# Altium PCB Iris.PcbDoc (part 9 of 13) (continued)
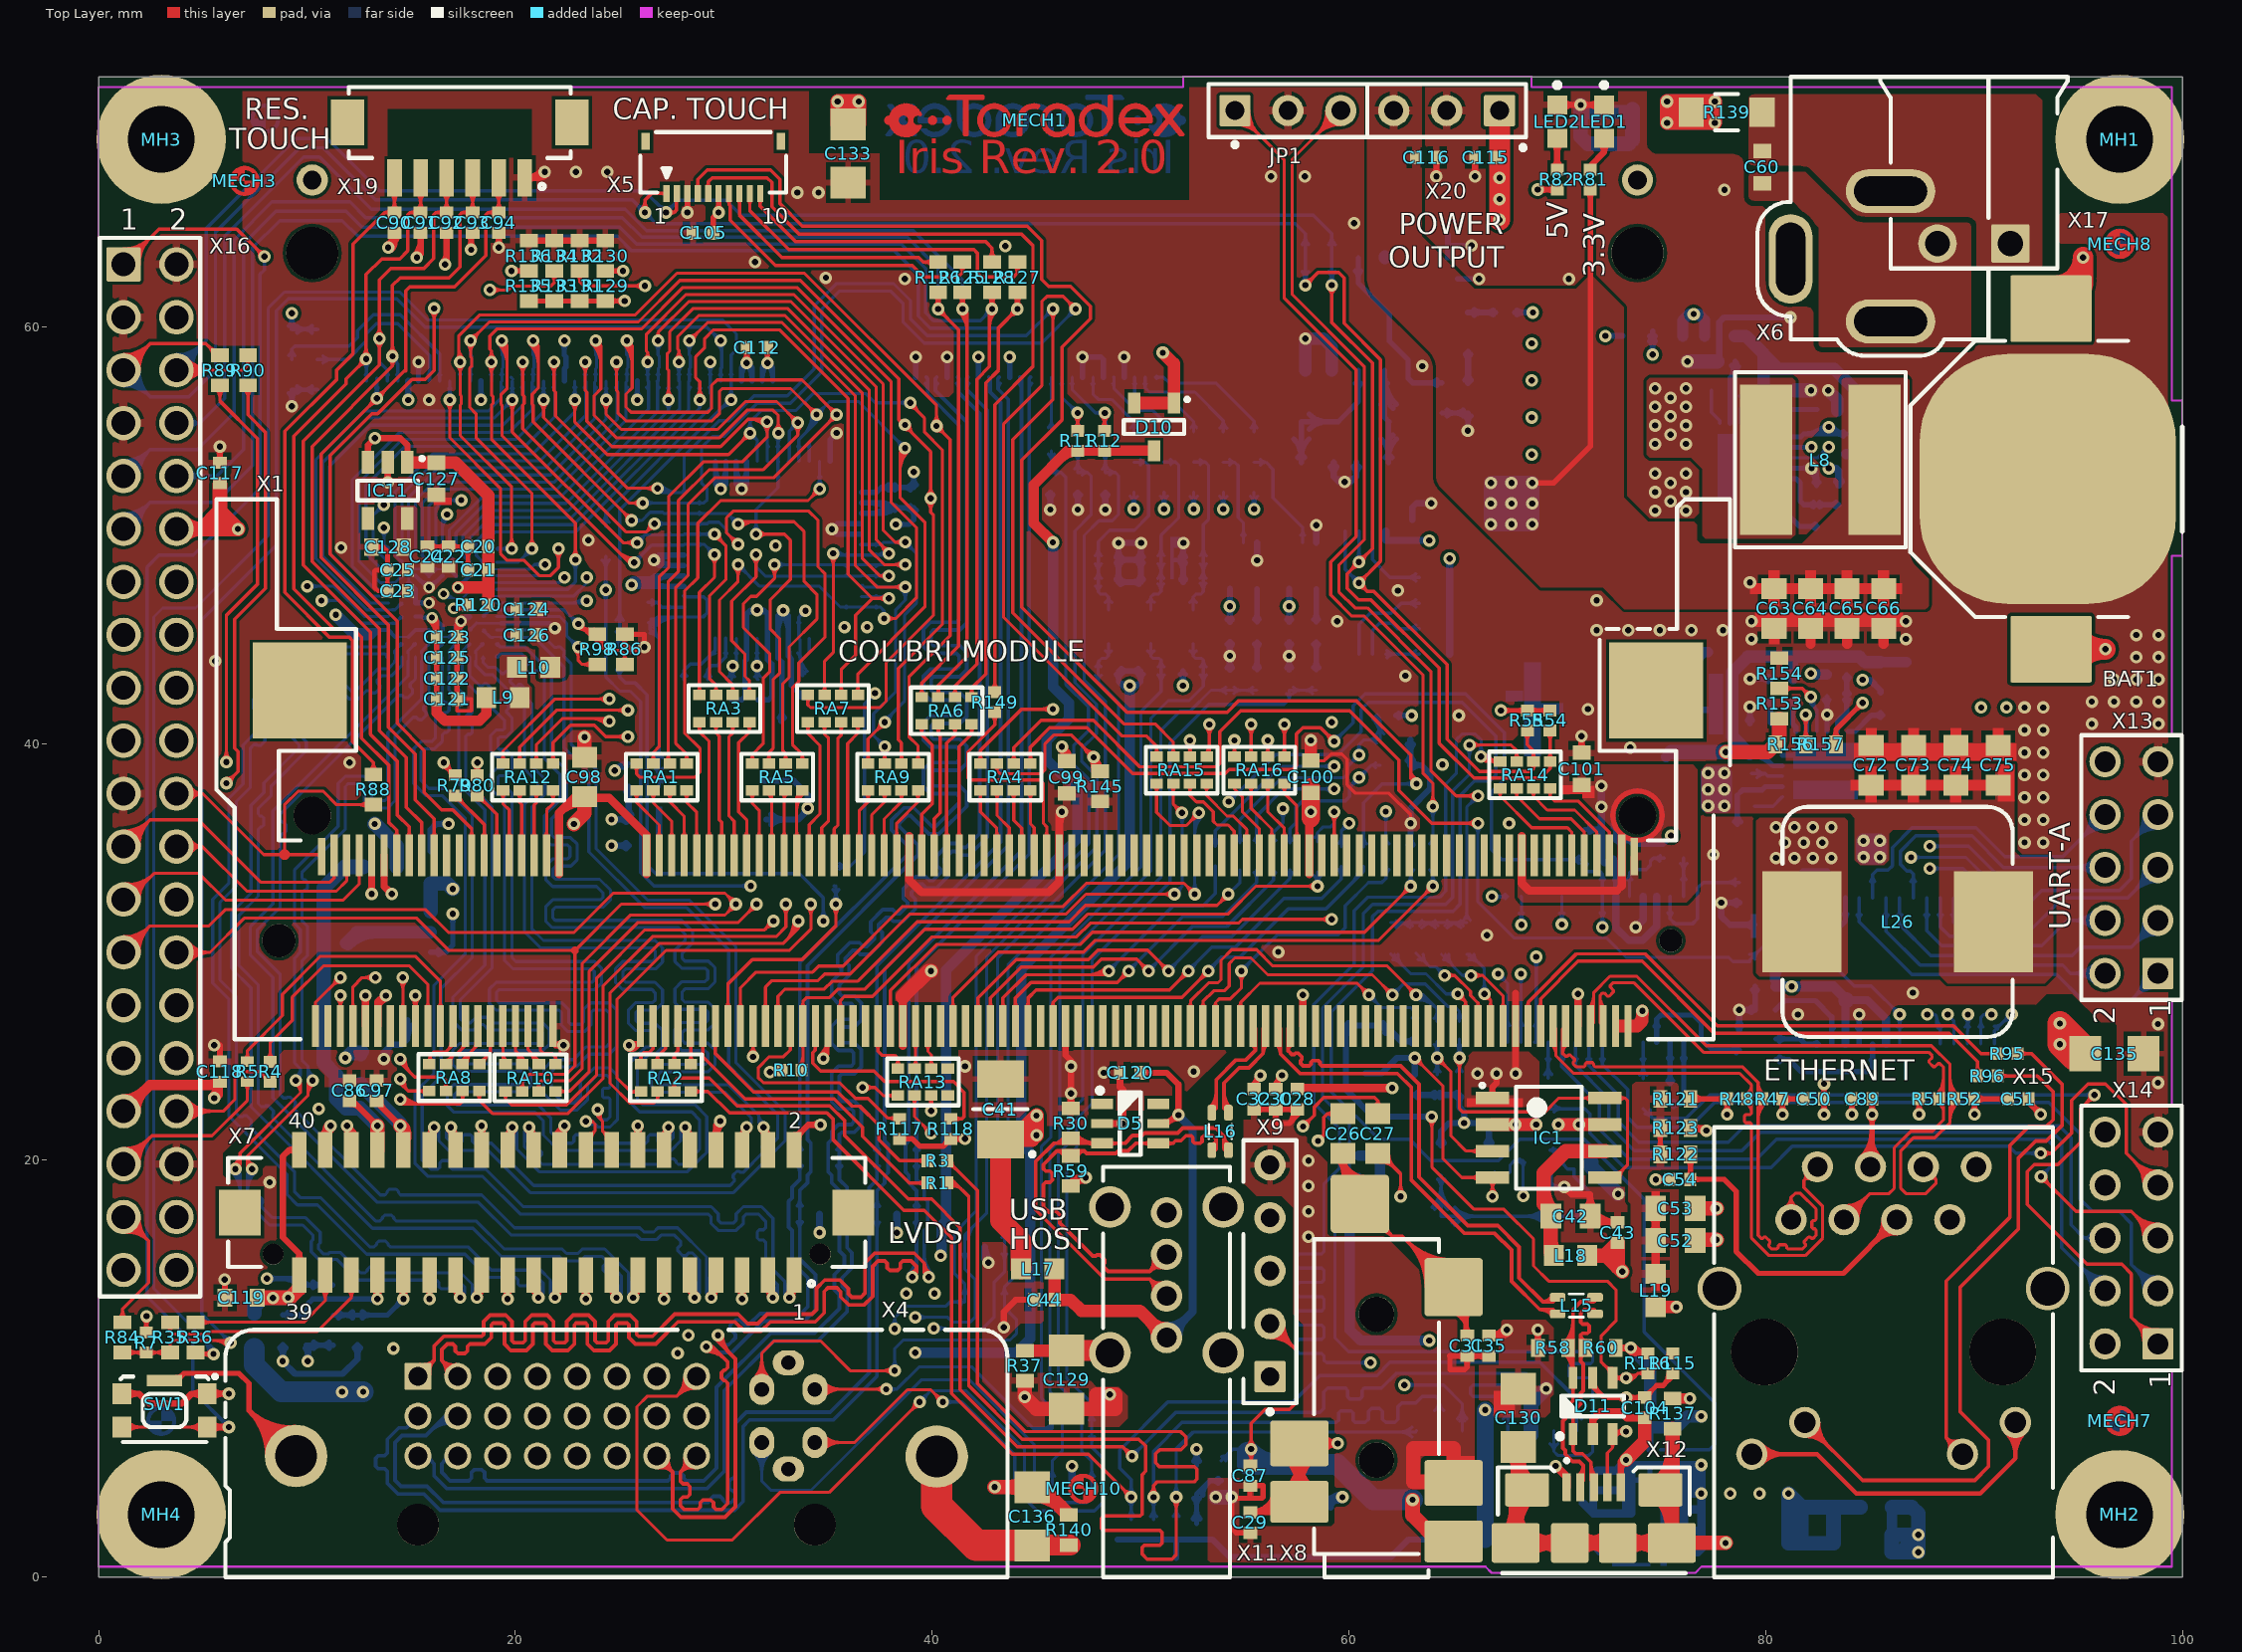
[diagram p0: Top Layer view]
## Nets (pads, with @x,y where several pads share a name; then routed paths per layer and width w, separated by ;. In a path a pad name is that pad's centre, name@x,y a point inside that pad or via, vN(x,y) a via of type N, cw(c..) or ccw(c..) an arc to the next point about the centre after c; other vN are vias at no path point) (continued)
  Bottom Layer w0.152: v1@66.034,36.024 cw(c65.652,35.642) 66.192,35.642 cw(c66.733,35.642) v1@66.351,36.024 ; v1(66.192,36.182) 66.192,32.41 67.935,30.668 72.38,30.668 73.304,29.743 78.232,29.743 78.435,29.54 R106.2@79.234,29.54 ; R106.2@79.234,29.603 79.908,30.277 81.204,30.277 81.407,30.074 81.407,29.464 81.737,29.134 83.49,29.134 84.252,28.372 85.062,28.372 v1(86.435,26.999) IC4.22@86.435,25.59 ; R106.2@79.234,29.889 ccw(c79.234,30.58) 79.723,30.092 ; R106.2@79.483,29.64 cw(c79.993,29.64) 79.632,30.001 ; v1@86.211,26.999 ccw(c85.671,26.999) 86.053,27.381 ccw(c86.435,27.763) v1@86.435,27.223 ; v1@86.277,26.841 cw(c85.895,26.459) 86.435,26.459 cw(c86.975,26.459) v1@86.593,26.841 ; IC4.22@86.33,26.395 ccw(c86.076,26.649) 86.435,26.649 ccw(c86.794,26.649) IC4.22@86.54,26.395
SODIMM_102_S: RA4.3 X1.102 | length 4.3
  Top Layer w0.152: RA4.3@43.794,37.623 cw(c43.497,37.326) 43.916,37.326 cw(c44.336,37.326) RA4.3@44.039,37.623 ; RA4.3@43.916,37.746 43.916,36.322 44.3,35.939 X1.102@44.3,34.646 ; X1.102@44.23,35.592 ccw(c44.061,35.76) 44.3,35.76 ccw(c44.539,35.76) X1.102@44.37,35.592
SODIMM_103: R148.2 X16.15 | length 74.1
  MidLayer2 w0.165: X16.15@1.191,44.478 cw(c1.191,42.685) 2.458,43.952 cw(c3.726,45.22) X16.15@1.933,45.22 ; X16.15@1.191,44.643 cw(c1.191,43.248) 2.177,44.234 cw(c3.163,45.22) X16.15@1.768,45.22 ; X16.15@1.191,44.808 cw(c1.191,43.812) 1.895,44.516 cw(c2.599,45.22) X16.15@1.603,45.22 ; X16.15@1.191,45.22 2.461,43.95 4.539,43.95 5.467,43.021 26.219,43.021 28.832,40.408 35.541,40.408 36.99,38.959 42.245,38.959 42.418,38.786 48.819,38.786 50.267,37.338 53.188,37.338 53.873,36.652 55.143,36.652 56.083,37.592 57.252,37.592 57.582,37.262 57.582,36.418 57.817,36.182 v1(60.011,36.182) ; v1@59.857,36.029 ccw(c59.486,35.657) 59.486,36.182 ccw(c59.486,36.707) v1@59.857,36.336
  Bottom Layer w0.15: R148.2@59.496,35.203 ccw(c59.192,35.531) 59.639,35.531 ccw(c60.086,35.531) R148.2@59.782,35.203 ; R148.2@59.639,35.049 59.639,35.81 ; v1@59.786,36.177 cw(c59.284,36.166) 59.639,35.81 ; v1@60.006,35.957 ccw(c59.995,35.455) 59.639,35.81 ; v1(60.011,36.182) 59.639,35.81
SODIMM_103_S: R148.1 X1.103 | length 22.1
  Top Layer w0.165: X1.103@44.535,27.387 ccw(c44.377,27.545) 44.6,27.545 ccw(c44.823,27.545) X1.103@44.665,27.387 ; X1.103@44.6,26.446 44.6,27.785 44.992,28.177 51.39,28.177 v1(52.296,29.083) ; v1@52.078,29.083 cw(c51.553,29.083) 51.924,28.712 cw(c52.296,28.34) v1@52.296,28.865
  Bottom Layer w0.165: v1@52.296,29.108 53.424,30.236 54.558,30.236 56.885,32.563 58.699,32.563 59.639,33.503 R148.1@59.639,34.089 ; v1@52.296,29.301 ccw(c52.296,29.764) 52.624,29.436 ; v1@52.513,29.083 cw(c53.1,29.083) 52.685,29.498 ; R148.1@59.496,33.946 cw(c59.15,33.601) 59.639,33.601 cw(c60.128,33.601) R148.1@59.782,33.946
SODIMM_104: IC6.22 R107.2 RA4.8 | length 49.3
  Top Layer w0.165: RA4.8@44.598,39.164 ccw(c44.312,39.45) 44.716,39.45 ccw(c45.121,39.45) RA4.8@44.835,39.164 ; RA4.8@44.716,39.046 44.716,39.84 45.644,40.767 47.422,40.767 49.618,38.571 54.065,38.571 54.254,38.76 57.302,38.76 57.48,38.938 57.48,40.462 57.785,40.767 58.64,40.767 v1(59.3,40.107) ; v1@59.082,40.107 ccw(c58.557,40.107) 58.929,40.478 ccw(c59.3,40.849) v1@59.3,40.324
  Bottom Layer w0.165: v1(59.3,40.107) 60.198,41.005 60.198,41.812 60.77,42.384 65.591,42.384 67.454,40.521 67.454,38.269 66.853,37.668 66.853,34.925 67.349,34.429 R107.2@71.323,34.429 71.323,33.96 ; v1@59.3,40.324 ccw(c59.3,40.849) 59.671,40.478 ccw(c60.043,40.107) v1@59.517,40.107 ; R107.2@71.052,34.257 ccw(c70.638,33.843) 70.638,34.429 ccw(c70.638,35.014) R107.2@71.052,34.6 ; R107.2@71.183,34.231 cw(c70.991,33.96) 71.323,33.96 ; R107.2@71.463,34.231 ccw(c71.655,33.96) 71.323,33.96 ; v1@72.019,31.348 ccw(c71.655,31.712) 72.17,31.712 ; IC6.22@72.069,31.869 cw(c71.826,31.626) 72.17,31.626 cw(c72.514,31.626) IC6.22@72.271,31.869 ; IC6.22@72.069,33.471 ccw(c71.826,33.714) 72.17,33.714 ccw(c72.514,33.714) IC6.22@72.271,33.471 ; v1@72.17,31.196 IC6.22@72.17,32.67 72.17,33.748 72.06,33.858 71.425,33.858 71.323,33.96 ; 72.17,31.726 ccw(c72.705,31.726) v1@72.327,31.348
  other v1: 72.173,31.194
SODIMM_104_S: RA4.4 X1.104 | length 4.2
  Top Layer w0.152: RA4.4@44.594,37.623 cw(c44.297,37.326) 44.716,37.326 cw(c45.136,37.326) RA4.4@44.839,37.623 ; RA4.4@44.716,37.746 44.716,36.147 44.9,35.963 X1.104@44.9,34.646 ; X1.104@44.83,35.592 ccw(c44.661,35.76) 44.9,35.76 ccw(c45.139,35.76) X1.104@44.97,35.592
SODIMM_106: R149.2 X5.5 | length 41.5
  Top Layer w0.165: X5.5@29.202,66.749 ccw(c29.087,66.864) 29.25,66.864 ccw(c29.413,66.864) X5.5@29.298,66.749 ; X5.5@29.25,66.4 29.25,66.969 29.439,67.158 32.08,67.158 32.311,66.927 32.311,65.761 33.611,64.461 44.276,64.461 44.837,63.9 44.837,58.096 43.008,56.267 R149.2@43.008,42.466 ; R149.2@42.865,42.609 ccw(c42.519,42.955) 43.008,42.955 ccw(c43.497,42.955) R149.2@43.151,42.609
SODIMM_106_S: R149.1 X1.106 | length 12.1
  Top Layer w0.152: R149.1@42.861,41.359 cw(c42.504,41.002) 43.008,41.002 cw(c43.512,41.002) R149.1@43.156,41.359 ; R149.1@43.008,41.506 43.008,40.9 41.707,39.599 41.707,38.354 41.808,38.252 45.187,38.252 45.339,38.1 45.339,36.17 45.5,36.009 X1.106@45.5,34.646 ; X1.106@45.43,35.592 ccw(c45.261,35.76) 45.5,35.76 ccw(c45.739,35.76) X1.106@45.57,35.592
SODIMM_107: R146.2 X5.4 | length 72.4
  Top Layer w0.15: 62.967,38.753 ccw(c63.437,38.74) v1@63.325,38.283
  Top Layer w0.165: X5.4@28.702,66.749 ccw(c28.587,66.864) 28.75,66.864 ccw(c28.913,66.864) X5.4@28.798,66.749 ; X5.4@28.75,66.4 28.75,67.079 29.208,67.537 32.237,67.537 32.69,67.084 32.69,65.918 33.768,64.841 44.557,64.841 45.263,64.135 45.263,62.281 45.593,61.951 46.634,61.951 47.6,60.985 47.6,60.401 46.237,59.039 46.237,55.533 44.308,53.604 44.308,46.548 49.352,41.504 54.153,41.504 54.712,42.062 60.35,42.062 62.967,39.446 62.967,38.354 ; v1@63.034,38.122 ccw(c62.79,38.177) 62.967,38.354 ; v1@63.198,38.287 cw(c63.143,38.531) 62.967,38.354 ; v1(63.246,38.075) 62.967,38.354
  Bottom Layer w0.165: R146.2@60.563,35.193 ccw(c60.217,35.538) 60.706,35.538 ccw(c61.195,35.538) R146.2@60.849,35.193 ; R146.2@60.706,35.049 60.706,37.16 61.62,38.075 v1(63.246,38.075) ; 62.721,38.075 cw(c62.721,37.55) 63.092,37.921 ccw(c62.721,37.55) 62.721,38.075 ; 62.721,38.075 ccw(c62.721,38.6) 63.092,38.228 cw(c62.721,38.6) 62.721,38.075
SODIMM_107_S: R146.1 X1.107 | length 22.2
  Top Layer w0.165: X1.107@45.735,27.387 ccw(c45.577,27.545) 45.8,27.545 ccw(c46.023,27.545) X1.107@45.865,27.387 ; X1.107@45.8,26.446 45.8,27.573 46.04,27.813 51.981,27.813 v1(53.251,29.083) ; v1@53.034,29.083 cw(c52.509,29.083) 52.88,28.712 cw(c53.251,28.34) v1@53.251,28.865
  Bottom Layer w0.165: v1@53.251,29.108 53.886,29.743 54.762,29.743 57.089,32.07 58.904,32.07 60.706,33.873 R146.1@60.706,34.089 ; v1@53.251,29.301 ccw(c53.251,29.764) 53.579,29.436 ; v1@53.469,29.083 cw(c54.055,29.083) 53.641,29.498 ; 60.164,33.331 ccw(c59.406,34.089) R146.1@60.478,34.089 ; 60.446,33.612 ccw(c59.969,34.089) R146.1@60.644,34.089
SODIMM_133: R147.2 X16.14 | length 79.8
  MidLayer2 w0.165: X16.14@3.731,47.018 cw(c3.731,43.459) 6.247,45.975 ; X16.14@3.731,47.183 cw(c3.731,44.022) 5.965,46.257 ; X16.14@3.731,47.348 cw(c3.731,44.586) 5.684,46.539 ; X16.14@3.731,47.513 cw(c3.731,45.149) 5.402,46.82 ; X16.14@3.731,47.678 cw(c3.731,45.712) 5.12,47.102 ; X16.14@3.731,47.76 4.462,47.76 8.503,43.72 26.786,43.72 29.265,41.24 36.357,41.24 37.135,40.462 48.895,40.462 50.825,38.532 58.623,38.532 58.801,38.354 59.665,38.354 60.731,37.287 61.227,37.287 v1(61.773,36.741) ; X16.14@3.731,47.843 cw(c3.731,46.276) 4.839,47.384 ; X16.14@3.731,48.008 cw(c3.731,46.839) 4.557,47.665 ; v1@61.555,36.741 ccw(c61.03,36.741) 61.402,37.112 ccw(c61.773,37.484) v1@61.773,36.958
  Bottom Layer w0.152: v1@61.615,36.583 cw(c61.233,36.201) 61.773,36.201 cw(c62.313,36.201) v1@61.931,36.583 ; R147.2@61.625,35.197 ccw(c61.269,35.553) 61.773,35.553 ccw(c62.277,35.553) R147.2@61.92,35.197 ; R147.2@61.773,35.049 v1(61.773,36.741)
SODIMM_133_S: R147.1 X1.133 | length 16.2
  Top Layer w0.15: X1.133@53.529,27.393 ccw(c53.359,27.563) 53.6,27.563 ccw(c53.841,27.563) X1.133@53.671,27.393 ; X1.133@53.6,26.446 53.6,27.568 53.777,27.744 54.313,27.744 54.842,28.274 v1@54.842,29.108 ; v1@54.683,28.924 cw(c54.299,28.54) 54.842,28.54 cw(c55.385,28.54) v1@55.001,28.924
  Bottom Layer w0.152: 59.817,32.207 60.935,33.325
  Bottom Layer w0.165: v1@54.842,29.108 56.569,30.836 59.487,30.836 59.817,31.166 59.817,32.207 ; v1@54.842,29.301 ccw(c54.842,29.764) 55.17,29.436 ; v1@55.059,29.083 cw(c55.646,29.083) 55.231,29.498 ; 60.935,33.325 61.57,33.325 61.773,33.528 R147.1@61.773,34.089 ; R147.1@61.63,33.946 cw(c61.284,33.601) 61.773,33.601 cw(c62.262,33.601) R147.1@61.916,33.946
  other v1: 54.842,29.083
SODIMM_152: R110.2 X1.152 | length 6.7
  Top Layer w0.152: v1@59.142,36.57 cw(c58.76,36.188) 59.3,36.188 cw(c59.84,36.188) v1@59.458,36.57 ; X1.152@59.23,35.592 ccw(c59.061,35.76) 59.3,35.76 ccw(c59.539,35.76) X1.152@59.37,35.592 ; X1.152@59.3,34.646 v1(59.3,36.728)
  Bottom Layer w0.152: R110.2@58.367,35.507 ccw(c58.226,35.738) 58.496,35.738 ; R110.2@58.496,35.294 58.496,35.738 ; R110.2@58.626,35.507 cw(c58.767,35.738) 58.496,35.738 ; v1@59.142,36.57 cw(c58.76,36.188) 59.3,36.188 cw(c59.84,36.188) v1@59.458,36.57 ; v1(59.3,36.728) 59.3,36.186 59.106,35.992 58.75,35.992 58.496,35.738
SSPFRM: R126.1 RA6.5 X16.9 | length 85
  Top Layer w0.15: R126.1@40.108,61.481 cw(c39.681,61.054) 40.284,61.054 cw(c40.888,61.054) R126.1@40.461,61.481 ; v1@40.125,61.017 ccw(c39.741,61.402) 40.284,61.402 ccw(c40.828,61.402) v1@40.443,61.017 ; v1@40.147,61.037 ccw(c40.011,61.213) 40.226,61.271 ccw(c40.567,61.362) v1@40.394,61.055 ; v1@40.174,61.055 ccw(c40.002,61.362) 40.343,61.271 ccw(c40.558,61.213) v1@40.422,61.037 ; v1(40.284,60.858) R126.1@40.284,61.657
  Top Layer w0.165: RA6.5@39.379,42.349 ccw(c39.093,42.635) 39.497,42.635 ccw(c39.901,42.635) RA6.5@39.615,42.349 ; RA6.5@39.497,42.23 39.497,42.901 41.275,44.679 41.275,57.545 41.275,59.868 v1(40.284,60.858) ; v1@40.284,60.641 cw(c40.284,60.116) 40.656,60.487 cw(c41.027,60.858) v1@40.502,60.858
  Bottom Layer w0.152: v1@40.126,61.017 ccw(c39.744,61.399) 40.284,61.399 ccw(c40.825,61.399) v1@40.443,61.017
  Bottom Layer w0.165: X16.9@1.191,52.84 2.461,54.11 4.732,54.11 6.497,55.875 6.497,64.169 8.323,65.994 12.06,65.994 12.814,65.24 25.133,65.24 26.073,64.3 38.799,64.3 40.284,62.814 v1(40.284,60.858) ; X16.9@1.191,53.252 ccw(c1.191,54.248) 1.895,53.544 ccw(c2.599,52.84) X16.9@1.603,52.84 ; X16.9@1.191,53.418 ccw(c1.191,54.812) 2.177,53.826 ccw(c3.163,52.84) X16.9@1.768,52.84 ; X16.9@1.191,53.583 ccw(c1.191,55.375) 2.458,54.108 ccw(c3.726,52.84) X16.9@1.933,52.84
SSPFRM_S: RA6.1 X1.86 | length 7.7
  Top Layer w0.165: RA6.1@39.379,40.812 cw(c39.093,40.526) 39.497,40.526 cw(c39.901,40.526) RA6.1@39.615,40.812 ; X1.86@39.435,35.587 ccw(c39.277,35.745) 39.5,35.745 ccw(c39.723,35.745) X1.86@39.565,35.587 ; RA6.1@39.497,40.93 39.497,40.437 40.005,39.929 40.005,37.109 39.5,36.604 X1.86@39.5,34.646
SSPRXD: R128.1 RA6.7 X16.10 | length 81.6
  Top Layer w0.165: RA6.7@40.979,42.349 ccw(c40.693,42.635) 41.097,42.635 ccw(c41.501,42.635) RA6.7@41.215,42.349 ; RA6.7@41.097,42.23 41.097,42.773 42.142,43.818 42.142,57.486 42.754,58.099 42.754,60.737 v1(42.875,60.858) R128.1@42.875,61.657 ; R128.1@42.704,61.486 cw(c42.29,61.072) 42.875,61.072 cw(c43.461,61.072) R128.1@43.047,61.486 ; v1@42.721,61.012 ccw(c42.35,61.383) 42.875,61.383 ccw(c43.4,61.383) v1@43.029,61.012 ; v1@42.741,61.029 ccw(c42.597,61.212) 42.822,61.272 ; 42.754,60.041 cw(c43.692,60.041) v1@43.029,60.705 ; 42.754,60.44 cw(c43.294,60.44) v1@42.912,60.821 ; v1@42.766,61.047 ccw(c42.598,61.338) 42.923,61.251 ; 42.827,61.251 ccw(c43.152,61.338) v1@42.984,61.047 ; 42.929,61.272 ccw(c43.153,61.212) v1@43.01,61.029
  Bottom Layer w0.152: 39.687,60.671 40.058,60.3 42.316,60.3 v1(42.875,60.858) ; v1@42.651,60.858 cw(c42.111,60.858) 42.493,60.476 cw(c42.875,60.094) v1@42.875,60.635
  Bottom Layer w0.165: X16.10@3.703,52.84 5.672,52.84 6.944,54.112 6.944,63.984 8.508,65.547 11.875,65.547 12.629,64.793 24.996,64.793 25.813,63.976 38.513,63.976 39.687,62.802 39.687,60.671 ; X16.10@4.257,52.601 cw(c4.628,52.432) 4.628,52.84 cw(c4.628,53.248) X16.10@4.257,53.079 ; X16.10@4.407,52.532 cw(c4.885,52.315) 4.885,52.84 cw(c4.885,53.365) X16.10@4.407,53.148
SSPRXD_S: RA6.3 X1.90 | length 7.4
  Top Layer w0.165: X1.90@40.635,35.587 ccw(c40.477,35.745) 40.7,35.745 ccw(c40.923,35.745) X1.90@40.765,35.587 ; X1.90@40.7,34.646 40.7,40.014 41.097,40.411 RA6.3@41.097,40.93 ; RA6.3@40.979,40.812 cw(c40.693,40.526) 41.097,40.526 cw(c41.501,40.526) RA6.3@41.215,40.812
SSPSCLK: R125.1 RA6.6 X16.8 | length 80.3
  Top Layer w0.152: R125.1@41.277,61.481 cw(c40.852,61.057) 41.453,61.057 cw(c42.053,61.057) R125.1@41.629,61.481 ; v1@41.295,61.017 ccw(c40.913,61.399) 41.453,61.399 ccw(c41.993,61.399) v1@41.611,61.017 ; v1@41.316,61.035 ccw(c41.178,61.213) 41.395,61.271 ccw(c41.741,61.364) v1@41.564,61.053 ; v1@41.342,61.053 ccw(c41.164,61.364) 41.51,61.271 ccw(c41.727,61.213) v1@41.59,61.035 ; v1(41.453,60.858) R125.1@41.453,61.657
  Top Layer w0.165: RA6.6@40.179,42.349 ccw(c39.893,42.635) 40.297,42.635 ccw(c40.701,42.635) RA6.6@40.415,42.349 ; RA6.6@40.297,42.23 40.297,42.786 41.681,44.171 41.681,60.63 ; v1@41.299,60.705 cw(c40.376,59.781) 41.681,59.781 ; v1@41.416,60.821 cw(c40.774,60.18) 41.681,60.18 ; v1(41.453,60.858) 41.681,60.63 ; v1@41.532,60.938 cw(c41.173,60.578) 41.681,60.578 ; v1@41.537,60.658 cw(c41.588,60.537) 41.681,60.63 ; v1@41.653,60.774 ccw(c41.774,60.723) 41.681,60.63
  Bottom Layer w0.152: v1@41.295,61.017 ccw(c40.913,61.399) 41.453,61.399 ccw(c41.993,61.399) v1@41.611,61.017
  Bottom Layer w0.165: X16.8@3.731,55.38 4.859,55.38 ; X16.8@4.261,55.151 cw(c4.609,55.002) 4.609,55.38 cw(c4.609,55.758) X16.8@4.261,55.609 ; X16.8@4.413,55.086 cw(c4.859,54.894) 4.859,55.38 ; X16.8@4.413,55.674 ccw(c4.859,55.866) 4.859,55.38 ; v1(41.453,60.858) 41.453,62.255 39.084,64.624 26.289,64.624 25.271,65.642 13.098,65.642 10.592,68.148 9.845,68.148 6.05,64.354 6.05,56.571 4.859,55.38
SSPSCLK_S: RA6.2 X1.88 | length 7.4
  Top Layer w0.165: X1.88@40.035,35.587 ccw(c39.877,35.745) 40.1,35.745 ccw(c40.323,35.745) X1.88@40.165,35.587 ; X1.88@40.1,34.646 40.1,36.392 40.385,36.677 40.385,40.145 40.386,40.146 40.386,40.361 40.297,40.45 RA6.2@40.297,40.93 ; RA6.2@40.179,40.812 cw(c39.893,40.526) 40.297,40.526 cw(c40.701,40.526) RA6.2@40.415,40.812
SSPTXD: R127.1 RA6.8 X16.11 | length 90.9
  Top Layer w0.165: RA6.8@41.779,42.349 ccw(c41.493,42.635) 41.897,42.635 ccw(c42.301,42.635) RA6.8@42.015,42.349 ; RA6.8@41.897,42.23 41.897,42.659 42.575,43.337 42.575,57.307 43.187,57.919 43.187,59.951 v1(44.094,60.858) R127.1@44.094,61.657 ; v1@43.877,60.858 cw(c43.352,60.858) 43.723,60.487 cw(c44.094,60.116) v1@44.094,60.641 ; R127.1@43.923,61.486 cw(c43.509,61.072) 44.094,61.072 cw(c44.68,61.072) R127.1@44.266,61.486 ; v1@43.941,61.012 ccw(c43.569,61.383) 44.094,61.383 ccw(c44.619,61.383) v1@44.248,61.012 ; v1@43.96,61.029 ccw(c43.816,61.212) 44.041,61.272 ; v1@43.986,61.047 ccw(c43.817,61.338) 44.142,61.251 ; 44.046,61.251 ccw(c44.371,61.338) v1@44.203,61.047 ; 44.148,61.272 ccw(c44.373,61.212) v1@44.229,61.029
  Bottom Layer w0.152: 39.33,60.523 39.91,59.942 43.178,59.942 v1(44.094,60.858) ; v1@43.871,60.858 cw(c43.33,60.858) 43.712,60.476 cw(c44.094,60.094) v1@44.094,60.635
  Bottom Layer w0.165: X16.11@1.191,50.3 2.461,51.57 5.621,51.57 7.391,53.34 7.391,63.798 8.693,65.1 11.69,65.1 12.443,64.346 24.884,64.346 25.578,63.652 38.184,63.652 39.33,62.506 39.33,60.523 ; X16.11@1.191,50.712 ccw(c1.191,51.708) 1.895,51.004 ccw(c2.599,50.3) X16.11@1.603,50.3 ; X16.11@1.191,50.878 ccw(c1.191,52.272) 2.177,51.286 ccw(c3.163,50.3) X16.11@1.768,50.3 ; X16.11@1.191,51.043 ccw(c1.191,52.835) 2.458,51.568 ccw(c3.726,50.3) X16.11@1.933,50.3
SSPTXD_S: RA6.4 X1.92 | length 7.5
  Top Layer w0.165: X1.92@41.235,35.587 ccw(c41.077,35.745) 41.3,35.745 ccw(c41.523,35.745) X1.92@41.365,35.587 ; X1.92@41.3,34.646 41.3,39.852 41.897,40.449 RA6.4@41.897,40.93 ; RA6.4@41.779,40.812 cw(c41.493,40.526) 41.897,40.526 cw(c42.301,40.526) RA6.4@42.015,40.812
T20_SD_BOOT: JP1.3 R109.1 R111.1 R112.1 R113.1 | length 66.7
  Top Layer w0.15: JP1.3@58.939,70.38 cw(c57.31,70.38) 58.462,69.228 cw(c59.614,68.075) JP1.3@59.614,69.705 ; JP1.3@59.089,70.38 cw(c57.822,70.38) 58.718,69.484 cw(c59.614,68.588) JP1.3@59.614,69.855 ; JP1.3@59.239,70.38 cw(c58.334,70.38) 58.974,69.74 cw(c59.614,69.1) JP1.3@59.614,70.005 ; JP1.3@59.614,70.38 57.277,68.043 57.277,61.558 60.737,58.098 60.737,49.776 59.518,48.557 59.518,47.29 60.295,46.513 60.89,46.513 63.938,43.466 63.938,38.704 65.151,37.49 v1(66.192,37.49) ; v1@66.033,37.331 ccw(c65.649,36.947) 65.649,37.49 ccw(c65.649,38.034) v1@66.033,37.649
  Bottom Layer w0.15: R109.1@62.001,31.408 R112.1@65.659,31.408 ; R109.1@62.172,31.261 cw(c62.527,30.907) 62.527,31.408 ; R109.1@62.278,31.155 cw(c62.889,30.544) R111.1@62.889,31.408 ; R109.1@62.278,31.509 ccw(c62.521,31.752) 62.521,31.408 ; R109.1@62.333,31.408 cw(c62.333,30.544) R111.1@62.944,31.155 ; R109.1@62.336,31.246 cw(c62.497,31.187) 62.541,31.352 ; 62.695,31.408 cw(c62.695,30.907) R111.1@63.05,31.261 ; 62.701,31.408 ccw(c62.701,31.752) R111.1@62.944,31.509 ; R111.1@63.391,31.261 cw(c63.746,30.907) 63.746,31.408 ; R111.1@63.497,31.155 cw(c64.108,30.544) R113.1@64.108,31.408 ; R111.1@63.497,31.509 ccw(c63.74,31.752) 63.74,31.408 ; R111.1@63.552,31.408 cw(c63.552,30.544) R113.1@64.163,31.155 ; 63.9,31.352 cw(c63.944,31.187) R113.1@64.105,31.246 ; 63.914,31.408 cw(c63.914,30.907) R113.1@64.269,31.261 ; 63.92,31.408 ccw(c63.92,31.752) R113.1@64.163,31.509 ; R113.1@64.611,31.261 cw(c64.965,30.907) 64.965,31.408 ; R113.1@64.717,31.155 cw(c65.327,30.544) R112.1@65.327,31.408 ; R113.1@64.717,31.509 ccw(c64.959,31.752) 64.959,31.408 ; R113.1@64.771,31.408 cw(c64.771,30.544) R112.1@65.382,31.155 ; R113.1@64.774,31.246 cw(c64.935,31.187) 64.98,31.352 ; 65.134,31.408 cw(c65.134,30.907) R112.1@65.488,31.261 ; 65.139,31.408 ccw(c65.139,31.752) R112.1@65.382,31.509 ; R112.1@65.482,31.509 ccw(c65.055,31.936) 65.659,31.936 ccw(c66.263,31.936) R112.1@65.836,31.509 ; R112.1@65.659,31.611 65.659,36.957 v1(66.192,37.49) ; v1@65.967,37.49 cw(c65.424,37.49) 65.808,37.106 cw(c66.192,36.722) v1@66.192,37.265
TMDS_CLK_N: D2.3 X2.3 X4.24 | length 91.1
  Top Layer w0.18: X4.24@28.14,5.718 cw(c27.372,5.591) 27.923,5.04 ; X4.24@28.318,5.748 cw(c27.797,5.661) 28.17,5.288 cw(c28.544,4.914) X4.24@28.631,5.435 ; X4.24@28.601,5.258 ccw(c28.474,4.489) 27.923,5.04 ; X4.24@28.693,5.81 27.923,5.04 ; v1@29.163,10.843 cw(c29.163,9.619) 30.029,10.484 ; v1@29.163,11.023 cw(c29.163,10.234) 29.721,10.792 ; v1(29.163,11.053) 29.46,11.053 30.189,10.324 30.189,10.057 30.064,9.932 30.014,9.932 29.889,9.806 29.889,9.558 30.014,9.432 30.064,9.432 30.189,9.307 30.189,3.534 29.906,3.251 29.63,3.251 29.504,3.376 29.504,3.579 29.379,3.704 29.003,3.704 28.878,3.579 28.878,3.376 28.753,3.251 28.092,3.251 27.923,3.421 27.923,3.721 28.048,3.846 28.251,3.846 28.376,3.971 28.376,4.347 28.251,4.472 28.048,4.472 27.923,4.597 27.923,5.04
  Bottom Layer w0.18: v1(29.163,11.053) 29.46,11.053 29.732,10.781 ; v1@29.176,11.026 cw(c29.318,10.727) 29.552,10.961 ; v1@29.253,10.863 cw(c29.434,10.483) 29.732,10.781 ; D2.3@33.532,17.032 cw(c33.259,16.759) 33.645,16.759 cw(c34.031,16.759) D2.3@33.758,17.032 ; D2.3@33.532,17.809 ccw(c33.259,18.082) 33.645,18.082 ccw(c34.031,18.082) D2.3@33.758,17.809 ; 40.155,57.028 cw(c40.522,57.028) X2.3@40.262,57.288 ; X2.3@40.22,57.58 40.155,57.515 40.155,56.939 41.656,55.438 41.656,45.784 41.323,45.452 40.067,45.452 39.951,45.335 39.951,44.815 40.067,44.699 41.323,44.699 41.656,44.366 41.656,43.54 41.323,43.207 40.067,43.207 39.951,43.091 39.951,42.57 40.067,42.454 41.323,42.454 41.656,42.121 41.656,41.295 41.323,40.962 40.067,40.962 39.951,40.846 39.951,40.326 40.067,40.21 41.323,40.21 41.656,39.877 41.656,39.05 41.323,38.717 40.067,38.717 39.951,38.601 39.951,38.081 40.067,37.965 41.323,37.965 41.656,37.632 41.656,36.993 40.321,35.658 39.851,35.658 38.963,36.546 38.799,36.546 38.431,36.178 38.431,36.014 39.319,35.126 39.319,34.655 34.015,29.351 34.015,21.002 34.175,20.842 34.175,19.443 34.015,19.283 34.015,18.92 33.645,18.55 D2.3@33.645,17.421 33.645,15.276 34.406,14.514 34.406,12.826 33.859,12.279 31.888,12.279 30.389,10.781 29.732,10.781
TMDS_CLK_P: D2.4 X2.2 X4.23 | length 90.9
  Top Layer w0.18: X4.23@26.783,5.81 27.553,5.04 ; X4.23@26.845,5.435 cw(c26.932,4.914) 27.305,5.288 cw(c27.679,5.661) X4.23@27.158,5.748 ; X4.23@26.875,5.258 cw(c27.002,4.489) 27.553,5.04 ; X4.23@27.335,5.718 ccw(c28.103,5.591) 27.553,5.04 ; v1(29.722,11.612) 29.722,11.315 30.559,10.477 30.559,3.381 30.059,2.881 27.939,2.881 27.553,3.267 27.553,5.04 ; v1@29.752,11.612 ccw(c30.541,11.612) 29.983,11.053 ; v1@29.932,11.612 ccw(c31.156,11.612) 30.29,10.746
  Bottom Layer w0.18: v1(29.722,11.612) 29.722,11.315 29.886,11.151 ; v1@29.744,11.591 ccw(c29.909,11.442) 29.752,11.285 ; v1@29.878,11.471 ccw(c30.05,11.315) 29.886,11.151 ; D2.4@33.532,19.732 cw(c33.259,19.459) 33.645,19.459 cw(c34.031,19.459) D2.4@33.758,19.732 ; D2.4@33.532,20.509 ccw(c33.259,20.782) 33.645,20.782 ccw(c34.031,20.782) D2.4@33.758,20.509 ; X2.2@39.678,57.288 cw(c39.418,57.028) 39.785,57.028 ; X2.2@39.72,57.58 39.785,57.515 39.785,56.786 41.286,55.285 41.286,45.938 41.17,45.822 39.914,45.822 39.581,45.489 39.581,44.662 39.914,44.329 41.17,44.329 41.286,44.213 41.286,43.693 41.17,43.577 39.914,43.577 39.581,43.244 39.581,42.417 39.914,42.084 41.17,42.084 41.286,41.968 41.286,41.448 41.17,41.332 39.914,41.332 39.581,40.999 39.581,40.172 39.914,39.84 41.17,39.84 41.286,39.723 41.286,39.203 41.17,39.087 39.914,39.087 39.581,38.754 39.581,37.928 39.914,37.595 41.17,37.595 41.286,37.479 41.286,37.146 40.168,36.028 40.004,36.028 39.116,36.916 38.645,36.916 38.061,36.331 38.061,35.861 38.949,34.973 38.949,34.808 33.645,29.505 33.645,21.002 D2.4@33.645,20.121 33.645,19.073 33.275,18.703 33.275,18.194 33.115,18.034 33.115,16.798 33.275,16.638 33.275,15.122 34.036,14.361 34.036,12.979 33.706,12.649 31.735,12.649 31.179,12.094 31.002,12.094 30.75,12.345 30.573,12.345 30.307,12.08 30.307,11.902 30.559,11.651 30.559,11.473 30.236,11.151 29.886,11.151
TMDS_DATA0_N: D2.6 X2.6 X4.17 | length 86.4
  Bottom Layer w0.18: X4.17@15.323,5.81 15.729,5.81 16.093,5.446 16.093,4.872 16.712,4.253 28.193,4.253 29.196,4.253 30.023,5.08 30.023,8.951 32.4,11.328 34.508,11.328 35.915,12.735 35.915,13.707 35.679,13.942 35.679,14.368 36.15,14.839 36.15,15.572 35.915,15.807 35.915,16.647 36.075,16.807 36.075,18.043 35.915,18.203 35.915,18.703 35.545,19.073 D2.6@35.545,20.121 35.545,21.236 35.661,21.352 36.269,21.352 36.602,21.685 36.602,22.512 36.269,22.845 35.661,22.845 35.545,22.961 35.545,24.04 35.661,24.156 36.269,24.156 36.602,24.489 36.602,25.315 36.269,25.648 35.661,25.648 35.545,25.764 35.545,26.285 35.661,26.401 36.269,26.401 36.602,26.734 36.602,27.56 36.269,27.893 35.661,27.893 35.545,28.009 35.545,28.415 36.014,28.885 36.014,29.356 35.83,29.54 35.83,29.704 36.198,30.072 36.362,30.072 36.546,29.888 37.017,29.888 37.602,30.472 37.602,30.943 37.418,31.127 37.418,31.291 37.785,31.659 37.95,31.659 38.134,31.475 38.604,31.475 39.189,32.06 39.189,32.53 39.005,32.715 39.005,32.879 39.373,33.247 39.537,33.247 39.721,33.062 40.192,33.062 40.776,33.647 40.776,34.118 40.592,34.302 40.592,34.466 40.96,34.834 41.124,34.834 41.308,34.65 41.779,34.65 42.656,35.526 42.656,55.998 41.655,56.999 41.655,57.515 X2.6@41.72,57.58 ; X4.17@15.883,5.81 ccw(c16.254,5.81) 15.992,5.548 ; D2.6@35.432,19.732 cw(c35.159,19.459) 35.545,19.459 cw(c35.931,19.459) D2.6@35.658,19.732 ; D2.6@35.432,20.509 ccw(c35.159,20.782) 35.545,20.782 ccw(c35.931,20.782) D2.6@35.658,20.509 ; 41.655,57.028 cw(c42.022,57.028) X2.6@41.762,57.288
TMDS_DATA0_P: D2.1 X2.5 X4.18 | length 86.4
  Bottom Layer w0.18: 16.564,5.548 ccw(c16.302,5.81) X4.18@16.673,5.81 ; X4.18@17.233,5.81 16.827,5.81 16.463,5.446 16.463,5.025 16.866,4.623 17.765,4.623 17.89,4.748 17.89,5.027 18.015,5.153 18.391,5.153 18.516,5.027 18.516,4.748 18.642,4.623 27.316,4.623 27.441,4.748 27.441,4.874 27.566,4.999 27.942,4.999 28.067,4.874 28.067,4.748 28.193,4.623 29.042,4.623 29.653,5.233 29.653,9.104 32.247,11.698 34.355,11.698 35.545,12.888 35.545,13.553 35.309,13.789 35.309,14.521 35.78,14.993 35.78,15.419 35.545,15.654 35.545,16.647 D2.1@35.545,17.421 35.545,18.55 35.175,18.92 35.175,19.283 35.015,19.443 35.015,20.842 35.175,21.002 35.175,21.389 35.508,21.722 36.116,21.722 36.232,21.838 36.232,22.359 36.116,22.475 35.508,22.475 35.175,22.807 35.175,24.193 35.508,24.526 36.116,24.526 36.232,24.642 36.232,25.162 36.116,25.278 35.508,25.278 35.175,25.611 35.175,26.438 35.508,26.771 36.116,26.771 36.232,26.887 36.232,27.407 36.116,27.523 35.508,27.523 35.175,27.856 35.175,28.569 35.644,29.038 35.644,29.203 35.46,29.387 35.46,29.857 36.045,30.442 36.516,30.442 36.7,30.258 36.864,30.258 37.232,30.626 37.232,30.79 37.048,30.974 37.048,31.445 37.632,32.029 38.103,32.029 38.287,31.845 38.451,31.845 38.819,32.213 38.819,32.377 38.635,32.561 38.635,33.032 39.219,33.617 39.69,33.617 39.874,33.432 40.039,33.432 40.406,33.8 40.406,33.965 40.222,34.149 40.222,34.619 40.807,35.204 41.278,35.204 41.462,35.02 41.626,35.02 42.286,35.68 42.286,55.845 41.285,56.845 41.285,57.515 X2.5@41.22,57.58 ; D2.1@35.432,17.032 cw(c35.159,16.759) 35.545,16.759 cw(c35.931,16.759) D2.1@35.658,17.032 ; D2.1@35.432,17.809 ccw(c35.159,18.082) 35.545,18.082 ccw(c35.931,18.082) D2.1@35.658,17.809 ; X2.5@41.178,57.288 cw(c40.918,57.028) 41.285,57.028
TMDS_DATA1_N: D1.3 X2.9 X4.9 | length 86.1
  Bottom Layer w0.18: X4.9@15.323,7.72 14.766,7.163 14.402,7.163 13.854,6.615 13.854,5.953 13.729,5.827 13.414,5.827 13.289,5.702 13.289,5.326 13.414,5.201 13.729,5.201 13.854,5.076 13.854,4.495 14.361,3.988 15.606,3.988 16.382,3.211 30.506,3.211 30.926,3.631 30.926,7.228 31.242,7.544 35.255,7.544 37.353,9.642 37.353,12.929 D1.3@37.353,17.413 37.353,18.542 37.723,18.912 37.723,19.257 37.883,19.417 37.883,20.765 37.723,20.925 37.723,29.18 43.655,35.112 43.655,56.522 43.155,57.023 43.155,57.515 X2.9@43.22,57.58 ; D1.3@37.24,17.024 cw(c36.967,16.751) 37.353,16.751 cw(c37.739,16.751) D1.3@37.466,17.024 ; D1.3@37.24,17.801 ccw(c36.967,18.074) 37.353,18.074 ccw(c37.739,18.074) D1.3@37.466,17.801 ; 43.155,57.028 cw(c43.522,57.028) X2.9@43.262,57.288
TMDS_DATA1_P: D1.4 X2.8 X4.10 | length 89.4
  Bottom Layer w0.18: 15.936,7.018 cw(c16.833,6.12) X4.10@17.141,7.351 ; 16.161,7.242 cw(c16.923,6.48) X4.10@17.184,7.526 ; 16.385,7.467 cw(c17.013,6.84) X4.10@17.228,7.701 ; X4.10@17.233,7.72 16.638,7.72 15.711,6.793 14.555,6.793 14.224,6.462 14.224,4.648 14.514,4.358 15.759,4.358 16.535,3.581 29.245,3.581 29.371,3.707 29.371,3.756 29.496,3.881 29.821,3.881 29.946,3.756 29.946,3.707 30.072,3.581 30.353,3.581 30.556,3.784 30.556,4.025 30.431,4.151 30.381,4.151 30.256,4.276 30.256,4.601 30.381,4.726 30.431,4.726 30.556,4.851 30.556,7.381 31.089,7.914 35.102,7.914 36.983,9.795 36.983,16.63 36.823,16.79 36.823,18.026 36.983,18.186 36.983,18.695 37.353,19.065 D1.4@37.353,20.113 37.353,21.362 37.353,29.333 43.285,35.266 43.285,56.369 42.785,56.869 42.785,57.515 X2.8@42.72,57.58 ; D1.4@37.24,19.724 cw(c36.967,19.451) 37.353,19.451 cw(c37.739,19.451) D1.4@37.466,19.724 ; D1.4@37.24,20.501 ccw(c36.967,20.774) 37.353,20.774 ccw(c37.739,20.774) D1.4@37.466,20.501 ; X2.8@42.678,57.288 cw(c42.418,57.028) 42.785,57.028